# Altium PCB H-00488.PcbDoc (part 7 of 9) (continued)
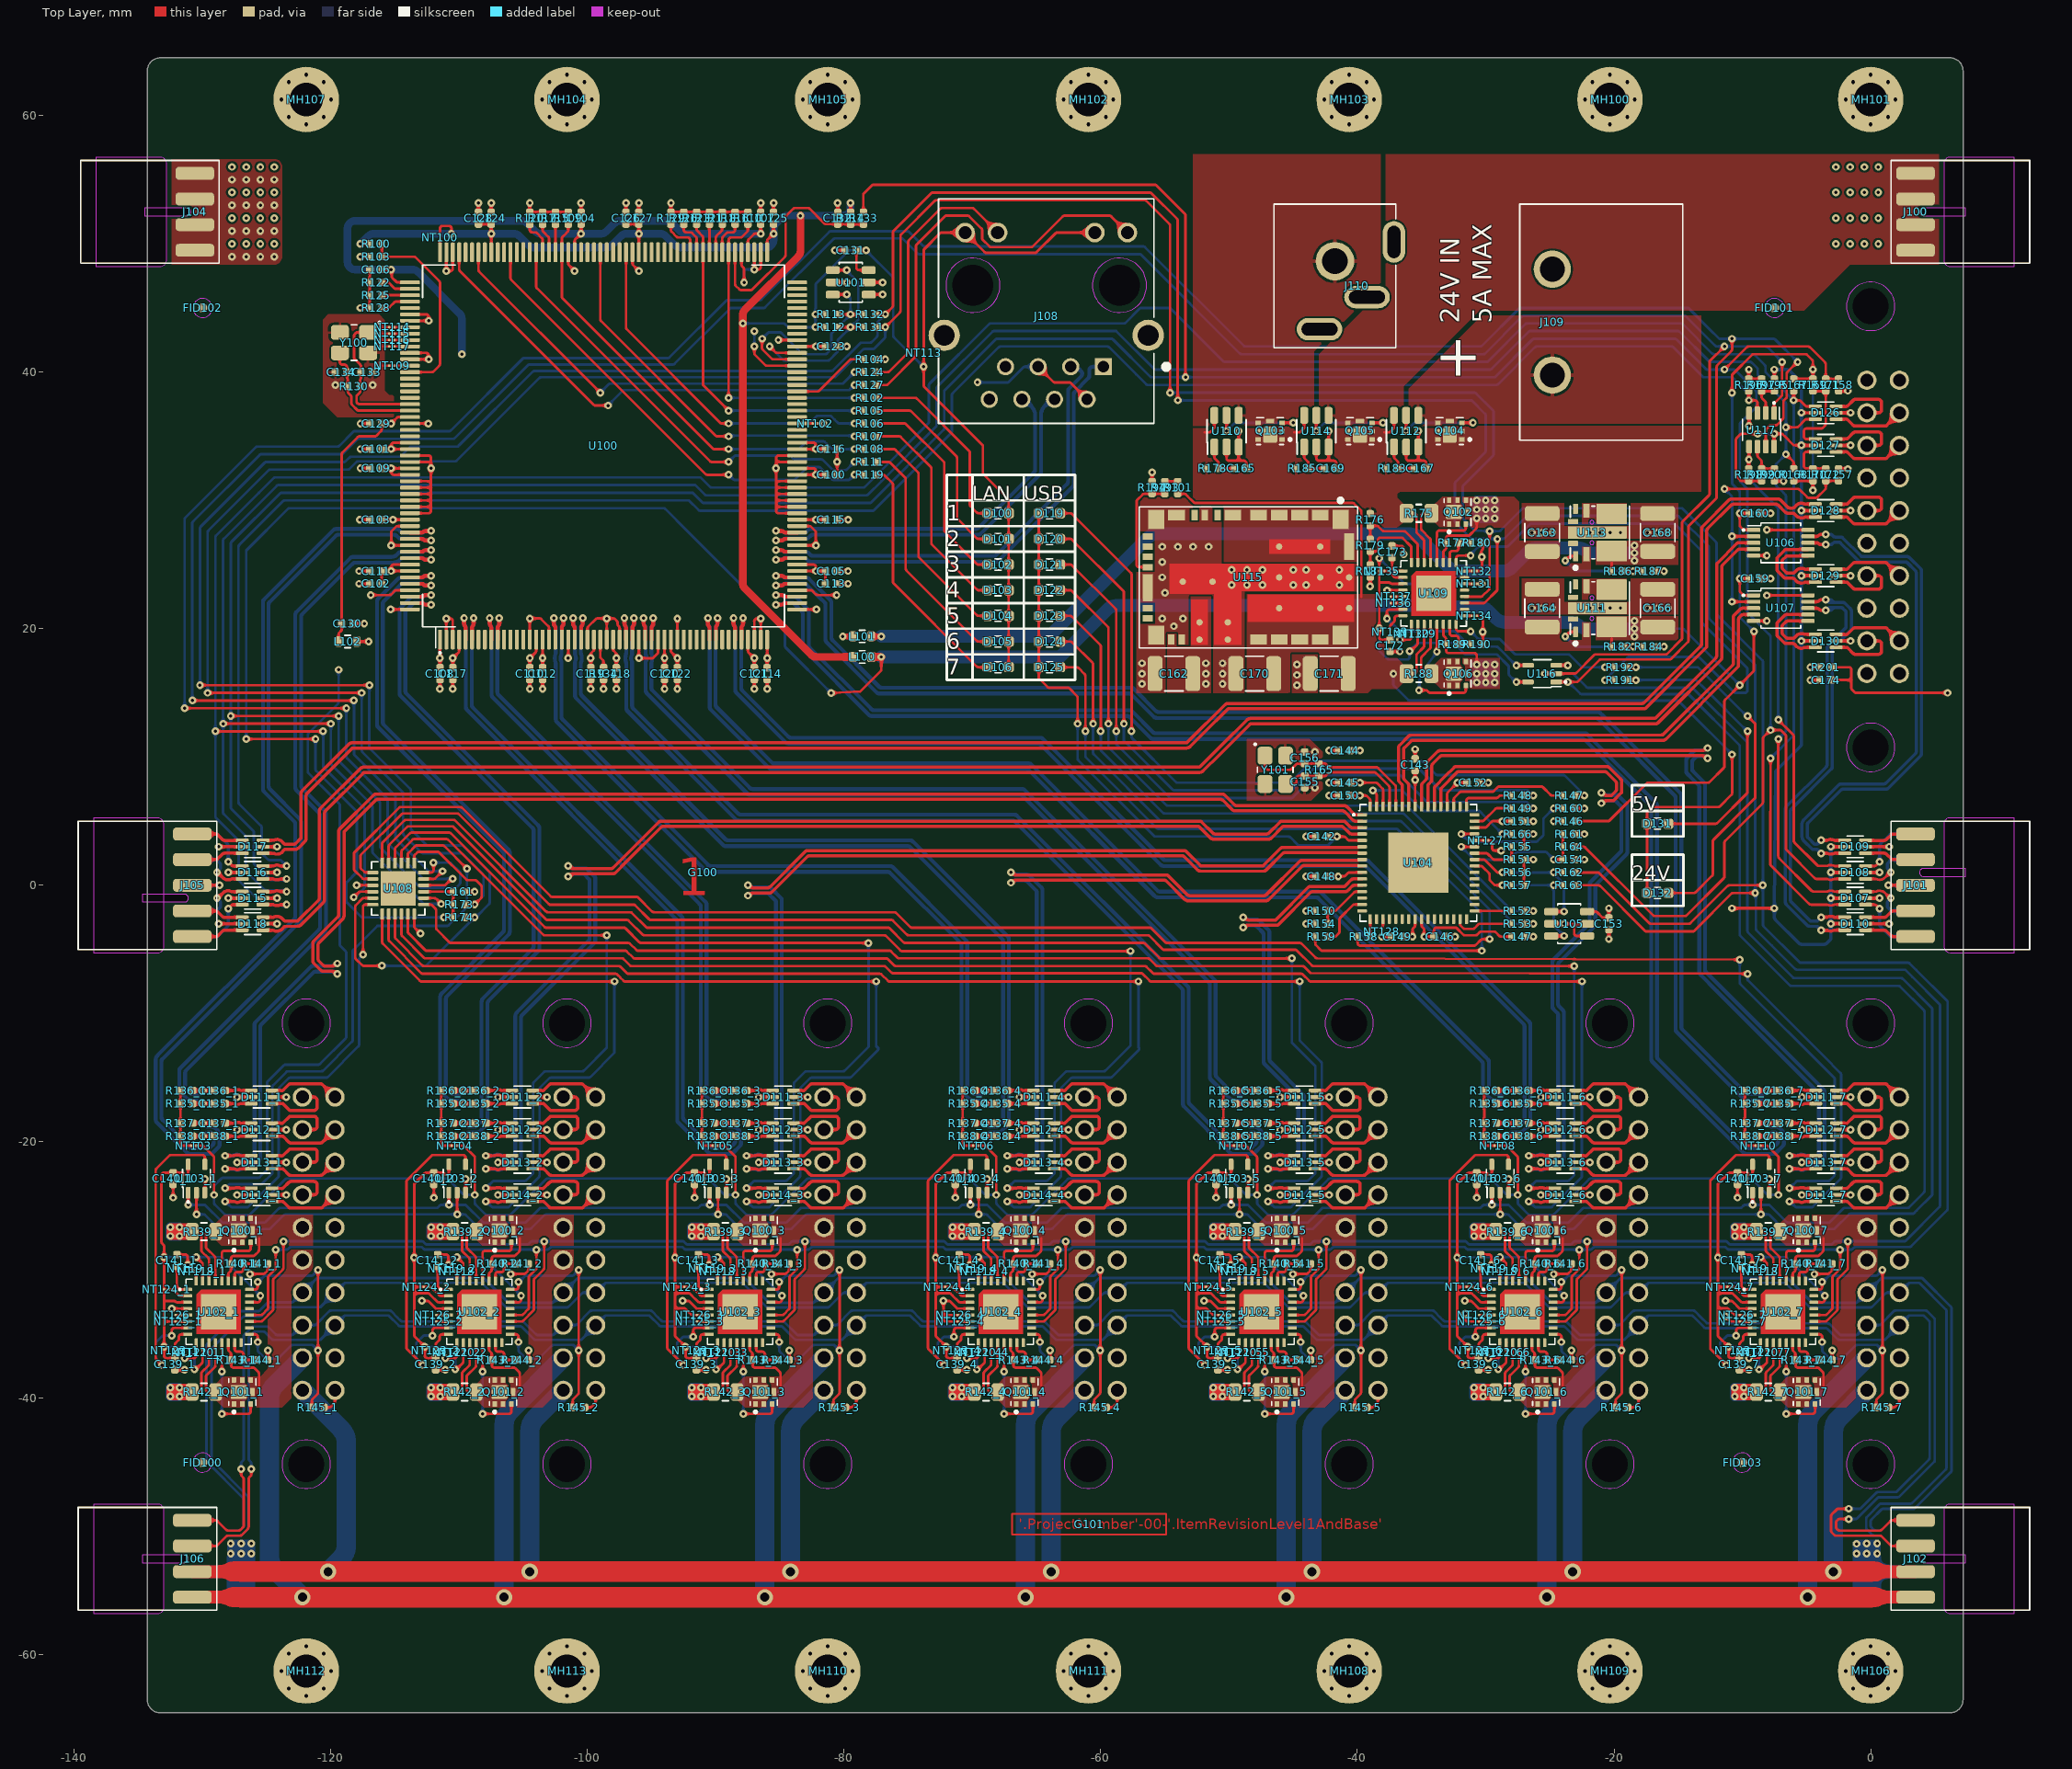
[diagram p0: Top Layer view]
## Nets (pads, with @x,y where several pads share a name; then routed paths per layer and width w, separated by ;. In a path a pad name is that pad's centre, name@x,y a point inside that pad or via, vN(x,y) a via of type N, cw(c..) or ccw(c..) an arc to the next point about the centre after c; other vN are vias at no path point) (continued)
SS_3: C141_3.1 U102_3.1 | length 2.5
  Top Layer w0.2: C141_3.1@-91.36,-29.696 -91.36,-31.127 ccw(c-90.985,-31.129) -90.984,-31.504 U102_3.1@-90.549,-31.504
SS_4: C141_4.1 U102_4.1 | length 2.5
  Top Layer w0.2: C141_4.1@-71.04,-29.696 -71.04,-31.127 ccw(c-70.665,-31.129) -70.664,-31.504 U102_4.1@-70.229,-31.504
SS_5: C141_5.1 U102_5.1 | length 2.5
  Top Layer w0.2: C141_5.1@-50.72,-29.696 -50.72,-31.127 ccw(c-50.345,-31.129) -50.344,-31.504 U102_5.1@-49.909,-31.504
SS_6: C141_6.1 U102_6.1 | length 2.5
  Top Layer w0.2: C141_6.1@-30.4,-29.696 -30.4,-31.127 ccw(c-30.025,-31.129) -30.024,-31.504 U102_6.1@-29.589,-31.504
SS_7: C141_7.1 U102_7.1 | length 2.5
  Top Layer w0.2: C141_7.1@-10.08,-29.696 -10.08,-31.127 ccw(c-9.705,-31.129) -9.704,-31.504 U102_7.1@-9.269,-31.504
TIMER_1: NT123_1.2 U102_1.8 | length 1.8
  Top Layer w0.2: NT123_1.2@-132.154,-36.054 -132.154,-35.822 cw(c-131.954,-35.823) -132.096,-35.682 -131.91,-35.496 ccw(c-132.07,-35.337) -131.908,-35.494 ccw(c-132.07,-35.337) -131.845,-35.337 -131.845,-35.204 cw(c-131.645,-35.204) -131.645,-35.004 U102_1.8@-131.15,-35.004
TIMER_2: NT123_2.2 U102_2.8 | length 1.8
  Top Layer w0.2: NT123_2.2@-111.834,-36.054 -111.834,-35.822 cw(c-111.634,-35.823) -111.776,-35.682 -111.59,-35.496 ccw(c-111.75,-35.337) -111.588,-35.494 ccw(c-111.75,-35.337) -111.525,-35.337 -111.525,-35.204 cw(c-111.325,-35.204) -111.325,-35.004 U102_2.8@-110.83,-35.004
TIMER_3: NT123_3.2 U102_3.8 | length 1.8
  Top Layer w0.2: NT123_3.2@-91.514,-36.054 -91.514,-35.822 cw(c-91.314,-35.823) -91.456,-35.682 -91.27,-35.496 ccw(c-91.43,-35.337) -91.268,-35.494 ccw(c-91.43,-35.337) -91.205,-35.337 -91.205,-35.204 cw(c-91.005,-35.204) -91.005,-35.004 U102_3.8@-90.51,-35.004
TIMER_4: NT123_4.2 U102_4.8 | length 1.8
  Top Layer w0.2: NT123_4.2@-71.194,-36.054 -71.194,-35.822 cw(c-70.994,-35.823) -71.136,-35.682 -70.95,-35.496 ccw(c-71.11,-35.337) -70.948,-35.494 ccw(c-71.11,-35.337) -70.885,-35.337 -70.885,-35.204 cw(c-70.685,-35.204) -70.685,-35.004 U102_4.8@-70.19,-35.004
TIMER_5: NT123_5.2 U102_5.8 | length 1.8
  Top Layer w0.2: NT123_5.2@-50.874,-36.054 -50.874,-35.822 cw(c-50.674,-35.823) -50.816,-35.682 -50.63,-35.496 ccw(c-50.79,-35.337) -50.628,-35.494 ccw(c-50.79,-35.337) -50.565,-35.337 -50.565,-35.204 cw(c-50.365,-35.204) -50.365,-35.004 U102_5.8@-49.87,-35.004
TIMER_6: NT123_6.2 U102_6.8 | length 1.8
  Top Layer w0.2: NT123_6.2@-30.554,-36.054 -30.554,-35.822 cw(c-30.354,-35.823) -30.496,-35.682 -30.31,-35.496 ccw(c-30.47,-35.337) -30.308,-35.494 ccw(c-30.47,-35.337) -30.245,-35.337 -30.245,-35.204 cw(c-30.045,-35.204) -30.045,-35.004 U102_6.8@-29.55,-35.004
TIMER_7: NT123_7.2 U102_7.8 | length 1.8
  Top Layer w0.2: NT123_7.2@-10.234,-36.054 -10.234,-35.822 cw(c-10.034,-35.823) -10.176,-35.682 -9.99,-35.496 ccw(c-10.15,-35.337) -9.988,-35.494 ccw(c-10.15,-35.337) -9.925,-35.337 -9.925,-35.204 cw(c-9.725,-35.204) -9.725,-35.004 U102_7.8@-9.23,-35.004
US1.D_N: D110.6 U107.8 | length 33.9
  Top Layer w0.25: U107.8@-4.88,21.6 -4.211,21.6 cw(c-4.211,21.35) -4.034,21.527 -4.03,21.523 ccw(c-3.854,21.7) -3.854,21.45 v1(-3.5,21.45) ; v1(-3.847,-3.508) -3.435,-3.508 ; D110.6@-2.01,-3.5 -2.769,-3.5 ccw(c-2.767,-3.75) -2.87,-3.523 cw(c-3.11,-3) -3.338,-3.528 ccw(c-3.436,-3.758) -3.431,-3.508 ; -3.435,-3.508 cw(c-3.436,-3.758) -3.431,-3.508 ; -3.435,-3.508 -3.431,-3.508
  Bottom Layer w0.25: v1(-3.847,-3.508) -3.86,-3.508 -4.168,-3.2 -4.763,-3.2 cw(c-4.762,-2.95) -4.938,-3.128 -5.754,-2.311 -6.572,-1.494 cw(c-6.394,-1.318) -6.644,-1.318 -6.644,5.953 cw(c-6.394,5.952) -6.572,6.128 -3.473,9.227 ccw(c-3.65,9.404) -3.4,9.404 -3.4,18.495 cw(c-3.15,18.495) -3.327,18.672 -1.981,20.018 ccw(c-2.158,20.195) -1.908,20.195 -1.908,21.22 ccw(c-2.158,21.22) -1.981,21.397 -2.002,21.418 -2.161,21.576 ccw(c-2.338,21.4) -2.338,21.65 -3.254,21.65 ; v1(-3.5,21.45) -3.161,21.45 ccw(c-3.161,21.7) -2.984,21.523 -2.93,21.577 cw(c-2.754,21.4) -2.754,21.65
US1.D_P: D110.4 U107.9 | length 33.8
  Top Layer w0.25: U107.9@-4.88,22.1 -4.211,22.1 ccw(c-4.211,22.35) -4.034,22.173 -4.03,22.177 cw(c-3.854,22) -3.854,22.25 v1(-3.5,22.25) ; v1(-3.847,-2.492) -3.435,-2.492 ; D110.4@-2.01,-2.5 -2.769,-2.5 cw(c-2.767,-2.25) -2.87,-2.477 ccw(c-3.11,-3) -3.338,-2.472 cw(c-3.436,-2.242) -3.431,-2.492 ; -3.435,-2.492 ccw(c-3.436,-2.242) -3.431,-2.492 ; -3.435,-2.492 -3.431,-2.492
  Bottom Layer w0.25: v1(-3.847,-2.492) -3.86,-2.492 -4.095,-2.727 cw(c-4.272,-2.55) -4.272,-2.8 -4.596,-2.8 cw(c-4.596,-2.55) -4.773,-2.727 -6.172,-1.328 cw(c-5.994,-1.152) -6.244,-1.152 -6.244,5.788 cw(c-5.994,5.787) -6.172,5.962 -3.073,9.061 ccw(c-3.25,9.238) -3,9.238 -3,18.33 cw(c-2.75,18.33) -2.927,18.506 -1.581,19.852 ccw(c-1.758,20.029) -1.508,20.029 -1.508,21.386 ccw(c-1.758,21.386) -1.582,21.563 -1.698,21.68 -1.994,21.975 ccw(c-2.172,21.8) -2.172,22.05 -3.254,22.05 ; v1(-3.5,22.25) -3.161,22.25 cw(c-3.161,22) -2.984,22.177 -2.93,22.123 ccw(c-2.754,22.3) -2.754,22.05
US2.D_N: D109.6 U106.8 | length 39.8
  Top Layer w0.25: U106.8@-4.88,26.7 -4.211,26.7 cw(c-4.211,26.45) -4.034,26.627 -4.03,26.623 ccw(c-3.854,26.8) -3.854,26.55 v1(-3.5,26.55) ; v1(-3.847,2.492) -3.431,2.492 ; -3.435,2.492 cw(c-3.436,2.242) -3.338,2.472 ccw(c-3.11,3) -2.87,2.477 cw(c-2.767,2.25) -2.769,2.5 D109.6@-2.01,2.5
  Bottom Layer w0.25: v1(-3.847,2.492) -3.86,2.492 -4.168,2.8 -4.541,2.8 -5.199,3.458 -5.229,3.487 cw(c-4.946,3.77) -5.346,3.77 -5.346,4.8 cw(c-4.946,4.8) -5.229,5.083 -2.485,7.827 cw(c-2.308,7.65) -2.308,7.9 1.031,7.9 ccw(c1.031,8.15) 1.208,7.973 2.371,9.136 3.482,10.248 ccw(c3.305,10.424) 3.555,10.424 3.555,24.344 ccw(c3.305,24.344) 3.482,24.521 2.859,25.143 ccw(c2.682,24.967) 2.682,25.217 -0.777,25.217 cw(c-0.777,25.467) -0.953,25.29 -1.491,25.828 -2.339,26.676 ccw(c-2.517,26.5) -2.517,26.75 -2.754,26.75 ccw(c-2.754,26.5) -2.93,26.677 -2.984,26.623 cw(c-3.161,26.8) -3.161,26.55 v1(-3.5,26.55)
US2.D_P: D109.4 U106.9 | length 39.8
  Top Layer w0.25: U106.9@-4.88,27.2 -4.211,27.2 ccw(c-4.211,27.45) -4.034,27.273 -4.03,27.277 cw(c-3.854,27.1) -3.854,27.35 v1(-3.5,27.35) ; v1(-3.847,3.508) -3.431,3.508 ; -3.435,3.508 ccw(c-3.436,3.758) -3.338,3.528 cw(c-3.11,3) -2.87,3.523 ccw(c-2.767,3.75) -2.769,3.5 D109.4@-2.01,3.5
  Bottom Layer w0.25: v1(-3.847,3.508) -3.86,3.508 -4.168,3.2 -4.376,3.2 -4.873,3.697 cw(c-4.696,3.874) -4.946,3.874 -4.946,4.696 cw(c-4.696,4.696) -4.873,4.873 -2.319,7.427 cw(c-2.142,7.25) -2.142,7.5 1.196,7.5 ccw(c1.196,7.75) 1.373,7.573 3.882,10.082 ccw(c3.705,10.258) 3.955,10.257 ; v1(-3.5,27.35) -3.161,27.35 cw(c-3.161,27.1) -2.984,27.277 -2.93,27.223 ccw(c-2.754,27.4) -2.754,27.15 -2.351,27.15 cw(c-2.351,26.9) -2.173,27.076 -2.133,27.035 cw(c-2.308,26.857) -2.131,27.034 -0.787,25.69 ccw(c-0.611,25.867) -0.612,25.617 2.847,25.617 cw(c2.847,25.367) 3.025,25.543 3.882,24.687 cw(c3.705,24.51) 3.955,24.51 3.955,10.258
US_HOST1_D_N: D110.1 J101.5 | length 4.1
  Top Layer w0.25: D110.1@-0.395,-3.5 1.051,-3.5 cw(c1.051,-3.75) 1.228,-3.573 1.581,-3.926 ccw(c1.758,-3.75) 1.758,-4 1.9,-4 J101.5@3.5,-4
US_HOST1_D_P: D110.3 J101.4 | length 4.1
  Top Layer w0.25: D110.3@-0.395,-2.5 1.051,-2.5 ccw(c1.051,-2.25) 1.228,-2.427 1.581,-2.074 cw(c1.758,-2.25) 1.758,-2 1.9,-2 J101.4@3.5,-2
US_HOST2_D_N: D109.1 J101.2 | length 4.1
  Top Layer w0.25: D109.1@-0.395,2.5 1.051,2.5 cw(c1.051,2.25) 1.228,2.427 1.581,2.074 ccw(c1.758,2.25) 1.758,2 1.9,2 J101.2@3.5,2
US_HOST2_D_P: D109.3 J101.1 | length 4.1
  Top Layer w0.25: D109.3@-0.395,3.5 1.051,3.5 ccw(c1.051,3.75) 1.228,3.573 1.581,3.926 cw(c1.758,3.75) 1.758,4 1.9,4 J101.1@3.5,4
US_ID: D108.3 J101.6 | length 5.7
  Top Layer w0.2: D108.3@-0.395,1.5 0.263,1.5 ccw(c0.263,1.75) 0.439,1.573 v1(0.7,1.834)
  Bottom Layer w0.25: v1(0.7,1.834) 0.7,3.043 cw(c0.95,3.043) 0.774,3.22 1.48,3.927 cw(c1.657,3.75) 1.657,4 J101.6@3.5,4
US_REF: R195.1 R197.2 U117.2 | length 2.8
  Top Layer w0.2: R197.2@-8.5,38.5 -8.5,38.083 ccw(c-8.3,38.083) -8.442,37.942 -8.28,37.78 -8.233,37.733 cw(c-8.375,37.592) -8.175,37.592 U117.2@-8.175,36.8 ; R197.2@-8.5,38.52 R195.1@-7.5,38.52
US_RESET: D108.1 J101.7 | length 5.2
  Top Layer w0.2: D108.1@-0.395,0.5 0.355,0.5 cw(c0.356,0.25) 0.46,0.477 ccw(c0.7,1) 0.956,0.485 1.003,0.509 ccw(c0.892,0.733) 1.068,0.555 1.069,0.556 v1@1.513,1
  Top Layer w0.25: v1@1.513,1 v1(1.573,1)
  Bottom Layer w0.25: v1(1.573,1) ccw(c1.349,0.89) 1.526,1.066 1.367,1.225 cw(c1.545,1.401) 1.295,1.401 1.295,1.591 cw(c1.545,1.591) 1.367,1.767 1.528,1.928 cw(c1.704,1.75) 1.704,2 J101.7@3.4,2
US_SCL: D107.1 J101.10 | length 5.7
  Top Layer w0.2: D107.1@-0.395,-1.5 0.263,-1.5 cw(c0.263,-1.75) 0.439,-1.573 v1(0.7,-1.834)
  Bottom Layer w0.25: v1(0.7,-1.834) 0.7,-3.043 ccw(c0.95,-3.043) 0.774,-3.22 1.48,-3.927 ccw(c1.657,-3.75) 1.657,-4 J101.10@3.5,-4
US_SDA: D107.3 J101.9 | length 5.1
  Top Layer w0.2: D107.3@-0.395,-0.5 0.355,-0.5 ccw(c0.356,-0.25) 0.46,-0.477 cw(c0.7,-1) 0.956,-0.485 1.003,-0.509 cw(c0.892,-0.733) 1.068,-0.555 1.069,-0.556 1.513,-1 v1(1.573,-1)
  Bottom Layer w0.25: v1@1.526,-1.066 1.367,-1.225 ccw(c1.545,-1.401) 1.295,-1.401 1.295,-1.591 ccw(c1.545,-1.591) 1.367,-1.767 1.528,-1.928 ccw(c1.704,-1.75) 1.704,-2 J101.9@3.4,-2
USB1.D_N: D113_1.6 U104.1 | length 117.9
  Top Layer w0.25: v1(-128.242,-22.098) -127.625,-22.098 cw(c-127.626,-22.348) -127.528,-22.118 ccw(c-127.3,-21.59) -127.06,-22.113 cw(c-126.957,-22.34) -126.959,-22.09 D113_1.6@-126.2,-22.09 ; v1@-119.727,-6.773 ccw(c-119.904,-6.95) -119.9,-6.7 ccw(c-119.904,-6.95) -119.904,-6.7 -120.596,-6.7 cw(c-120.596,-6.45) -120.773,-6.627 -120.889,-6.511 -121.327,-6.073 cw(c-121.15,-5.896) -121.4,-5.896 -121.4,-4.504 cw(c-121.15,-4.504) -121.326,-4.326 -119.454,-2.454 ccw(c-119.63,-2.277) -119.38,-2.277 -119.38,4.216 cw(c-119.13,4.216) -119.307,4.393 -116.673,7.027 cw(c-116.496,6.85) -116.496,7.1 -50.505,7.1 cw(c-50.504,6.85) -50.327,7.027 -49.573,6.273 ccw(c-49.396,6.45) -49.396,6.2 -41.004,6.2 cw(c-41.004,5.95) -40.826,6.126 -40.273,5.573 ccw(c-40.096,5.75) -40.098,5.5 U104.1@-39.635,5.5
  Bottom Layer w0.3: v1@-128.244,-22.1 -127.694,-22.1 cw(c-127.692,-22.4) -127.562,-22.13 ccw(c-127.3,-21.59) -126.83,-21.963 cw(c-126.595,-22.15) -126.595,-21.85 -126.225,-21.85 ccw(c-126.225,-21.125) -125.5,-21.125 -125.5,-11.056 cw(c-125.2,-11.056) -125.412,-10.844 -121.381,-6.813 cw(c-121.169,-7.025) -121.169,-6.725 -119.756,-6.725 -119.581,-6.9 v1(-119.5,-6.9)
USB1.D_P: D113_1.4 U104.2 | length 116.7
  Top Layer w0.25: v1(-128.242,-21.082) -127.625,-21.082 ccw(c-127.626,-20.832) -127.528,-21.062 cw(c-127.3,-21.59) -127.06,-21.067 ccw(c-126.957,-20.84) -126.959,-21.09 D113_1.4@-126.2,-21.09 ; v1@-119.727,-6.227 cw(c-119.904,-6.05) -119.9,-6.3 cw(c-119.904,-6.05) -119.902,-6.3 -120.431,-6.3 cw(c-120.431,-6.05) -120.608,-6.227 -120.927,-5.908 cw(c-120.75,-5.731) -121,-5.731 -121,-4.669 cw(c-120.75,-4.669) -120.926,-4.492 -119.098,-2.664 ccw(c-119.38,-2.38) -118.98,-2.38 -118.98,4.154 -116.508,6.627 cw(c-116.331,6.45) -116.331,6.7 -50.669,6.7 cw(c-50.669,6.45) -50.492,6.627 -49.856,5.99 cw(c-50.032,5.813) -49.855,5.989 ; -49.854,5.989 -49.783,5.917 ccw(c-49.5,6.2) -49.5,5.8 -41.169,5.8 cw(c-41.169,5.55) -40.994,5.728 -40.338,5.072 ccw(c-40.162,5.25) -40.163,5 U104.2@-39.635,5
  Bottom Layer w0.3: v1(-128.242,-21.082) -127.696,-21.082 ccw(c-127.696,-20.782) -127.564,-21.051 cw(c-127.3,-21.59) -126.797,-21.263 ccw(c-126.545,-21.1) -126.546,-21.4 -126.25,-21.4 ccw(c-126.25,-21.1) -125.95,-21.1 -125.95,-10.87 cw(c-125.65,-10.87) -125.862,-10.658 -121.567,-6.363 cw(c-121.355,-6.575) -121.355,-6.275 -119.756,-6.275 v1@-119.581,-6.1 ; v1@-119.562,-6.1 v1@-119.581,-6.1 ; v1(-119.5,-6.1) v1@-119.581,-6.1
USB2.D_N: D113_2.6 U104.3 | length 96.1
  Top Layer w0.25: v1(-107.922,-22.098) -107.305,-22.098 cw(c-107.306,-22.348) -107.208,-22.118 ccw(c-106.98,-21.59) -106.74,-22.113 cw(c-106.637,-22.34) -106.639,-22.09 D113_2.6@-105.88,-22.09 ; v1@-101.273,1.373 ccw(c-101.096,1.55) -101.096,1.3 -98.169,1.3 ccw(c-98.169,1.55) -97.992,1.374 -94.439,4.927 cw(c-94.262,4.75) -94.262,5 -52.304,5 cw(c-52.304,4.75) -52.127,4.927 ; -52.127,4.927 -51.273,4.073 ccw(c-51.096,4.25) -51.096,4 -47.069,4 ccw(c-47.069,4.25) -46.893,4.073 -46.038,4.927 cw(c-45.862,4.75) -45.862,5 -41.104,5 cw(c-41.104,4.75) -40.928,4.928 -40.572,4.572 ccw(c-40.396,4.75) -40.398,4.5 U104.3@-39.635,4.5
  Bottom Layer w0.3: v1@-107.924,-22.1 -107.374,-22.1 cw(c-107.372,-22.4) -107.242,-22.13 ccw(c-106.98,-21.59) -106.51,-21.963 cw(c-106.275,-22.15) -106.275,-21.85 -105.905,-21.85 ccw(c-105.905,-21.125) -105.18,-21.125 -105.18,-10.338 cw(c-104.88,-10.338) -105.094,-10.127 -99.39,-4.424 -99.39,0.62 -100.095,1.325 -100.9,1.325 -101.244,1.325 -101.419,1.5 v1(-101.5,1.5)
USB2.D_P: D113_2.4 U104.4 | length 94.7
  Top Layer w0.25: v1(-107.922,-21.082) -107.305,-21.082 ccw(c-107.306,-20.832) -107.208,-21.062 cw(c-106.98,-21.59) -106.74,-21.067 ccw(c-106.637,-20.84) -106.639,-21.09 D113_2.4@-105.88,-21.09 ; v1@-101.273,0.827 cw(c-101.096,0.65) -101.096,0.9 -98.004,0.9 ccw(c-98.004,1.15) -97.827,0.973 -96.985,1.815 -94.273,4.527 cw(c-94.096,4.35) -94.096,4.6 -52.469,4.6 cw(c-52.469,4.35) -52.292,4.526 -51.557,3.792 cw(c-51.733,3.614) -51.556,3.791 -51.554,3.788 -51.483,3.717 ccw(c-51.2,4) -51.2,3.6 -46.904,3.6 ccw(c-46.904,3.85) -46.727,3.673 -45.873,4.527 cw(c-45.696,4.35) -45.696,4.6 -41.269,4.6 cw(c-41.269,4.35) -41.092,4.526 -40.639,4.073 ccw(c-40.462,4.25) -40.462,4 U104.4@-39.635,4
  Bottom Layer w0.3: v1(-107.922,-21.082) -107.376,-21.082 ccw(c-107.376,-20.782) -107.244,-21.051 cw(c-106.98,-21.59) -106.477,-21.263 ccw(c-106.225,-21.1) -106.226,-21.4 -105.93,-21.4 ccw(c-105.93,-21.1) -105.63,-21.1 -105.63,-10.214 cw(c-105.18,-10.214) -105.498,-9.895 -99.84,-4.237 -99.84,0.433 -100.282,0.875 -100.714,0.875 -101.244,0.875 -101.419,0.7 v1(-101.5,0.7)
USB3.D_N: D113_3.6 U104.6 | length 78.4
  Top Layer w0.25: v1(-87.602,-22.098) -86.985,-22.098 cw(c-86.986,-22.348) -86.888,-22.118 ccw(c-86.66,-21.59) -86.42,-22.113 cw(c-86.317,-22.34) -86.319,-22.09 D113_3.6@-85.56,-22.09 ; v1@-87.273,-0.127 ccw(c-87.096,0.05) -87.096,-0.2 -85.969,-0.2 ccw(c-85.969,0.05) -85.792,-0.127 -83.039,2.627 cw(c-82.862,2.45) -82.862,2.7 -53.504,2.7 cw(c-53.504,2.45) -53.327,2.627 ; -53.327,2.627 -52.273,1.573 ccw(c-52.096,1.75) -52.096,1.5 -47.469,1.5 ccw(c-47.469,1.75) -47.293,1.573 -45.988,2.877 cw(c-45.812,2.7) -45.812,2.95 -39.935,2.95 -39.885,3 U104.6@-39.635,3
  Bottom Layer w0.3: v1@-87.604,-22.1 -87.054,-22.1 cw(c-87.052,-22.4) -86.922,-22.13 ccw(c-86.66,-21.59) -86.19,-21.963 cw(c-85.955,-22.15) -85.955,-21.85 -85.585,-21.85 ccw(c-85.585,-21.125) -84.86,-21.125 -84.86,-1.056 -85.741,-0.175 -87.244,-0.175 -87.419,0 v1(-87.5,0)
USB3.D_P: D113_3.4 U104.7 | length 77
  Top Layer w0.25: v1(-87.602,-21.082) -86.985,-21.082 ccw(c-86.986,-20.832) -86.888,-21.062 cw(c-86.66,-21.59) -86.42,-21.067 ccw(c-86.317,-20.84) -86.319,-21.09 D113_3.4@-85.56,-21.09 ; v1@-87.273,-0.673 cw(c-87.096,-0.85) -87.096,-0.6 -85.804,-0.6 ccw(c-85.804,-0.35) -85.627,-0.527 -82.873,2.227 cw(c-82.696,2.05) -82.696,2.3 -53.669,2.3 cw(c-53.669,2.05) -53.493,2.227 ; -53.492,2.227 -52.483,1.217 ccw(c-52.2,1.5) -52.199,1.1 -47.304,1.1 ccw(c-47.304,1.35) -47.127,1.173 -45.823,2.477 cw(c-45.646,2.3) -45.646,2.55 -39.935,2.55 -39.885,2.5 U104.7@-39.635,2.5
  Bottom Layer w0.3: v1(-87.602,-21.082) -87.056,-21.082 ccw(c-87.056,-20.782) -86.924,-21.051 cw(c-86.66,-21.59) -86.157,-21.263 ccw(c-85.905,-21.1) -85.906,-21.4 -85.61,-21.4 ccw(c-85.61,-21.1) -85.31,-21.1 -85.31,-1.242 -85.927,-0.625 -87.244,-0.625 -87.419,-0.8 v1(-87.5,-0.8)
USB4.D_N: D113_4.6 U104.8 | length 58.1
  Top Layer w0.25: v1(-67.282,-22.098) -66.665,-22.098 cw(c-66.666,-22.348) -66.568,-22.118 ccw(c-66.34,-21.59) -66.1,-22.113 cw(c-65.997,-22.34) -65.999,-22.09 D113_4.6@-65.24,-22.09 ; v1@-66.773,0.873 ccw(c-66.596,1.05) -66.596,0.8 -54.904,0.8 cw(c-54.904,0.55) -54.726,0.726 -53.273,-0.727 ccw(c-53.096,-0.55) -53.096,-0.8 -47.269,-0.8 ccw(c-47.269,-0.55) -47.093,-0.727 -44.488,1.877 cw(c-44.312,1.7) -44.312,1.95 -39.935,1.95 -39.885,2 U104.8@-39.635,2
  Bottom Layer w0.3: v1@-67.284,-22.1 -66.734,-22.1 cw(c-66.732,-22.4) -66.602,-22.13 ccw(c-66.34,-21.59) -65.87,-21.963 cw(c-65.635,-22.15) -65.635,-21.85 -65.265,-21.85 ccw(c-65.265,-21.125) -64.54,-21.125 -64.54,-0.384 ccw(c-64.84,-0.384) -64.629,-0.171 -64.759,-0.041 ccw(c-65.29,-0.571) -64.761,-0.039 -65.405,0.605 ccw(c-65.936,0.075) -65.407,0.607 -65.537,0.737 ccw(c-65.749,0.525) -65.749,0.825 -66.744,0.825 -66.919,1 v1(-67,1)
USB4.D_P: D113_4.4 U104.9 | length 56.7
  Top Layer w0.25: v1(-67.282,-21.082) -66.665,-21.082 ccw(c-66.666,-20.832) -66.568,-21.062 cw(c-66.34,-21.59) -66.1,-21.067 ccw(c-65.997,-20.84) -65.999,-21.09 D113_4.4@-65.24,-21.09 ; v1@-66.773,0.327 cw(c-66.596,0.15) -66.596,0.4 -55.069,0.4 cw(c-55.069,0.15) -54.892,0.326 -53.483,-1.083 ccw(c-53.2,-0.8) -53.2,-1.2 -47.104,-1.2 ccw(c-47.104,-0.95) -46.927,-1.127 -44.323,1.477 cw(c-44.146,1.3) -44.146,1.55 -39.935,1.55 -39.885,1.5 U104.9@-39.635,1.5
  Bottom Layer w0.3: v1(-67.282,-21.082) -66.736,-21.082 ccw(c-66.736,-20.782) -66.604,-21.051 cw(c-66.34,-21.59) -65.837,-21.263 ccw(c-65.585,-21.1) -65.586,-21.4 -65.29,-21.4 ccw(c-65.29,-21.1) -64.99,-21.1 -64.99,-0.571 ccw(c-65.29,-0.571) -65.079,-0.358 -65.723,0.286 ccw(c-65.936,0.075) -65.936,0.375 -66.744,0.375 -66.919,0.2 v1(-67,0.2)
USB5.D_N: D113_5.6 U104.11 | length 36.9
  Top Layer w0.25: v1@-48.673,-2.627 ccw(c-48.496,-2.45) -48.496,-2.7 -46.366,-2.7 -43.838,-0.173 cw(c-43.662,-0.35) -43.662,-0.1 -41.104,-0.1 ccw(c-41.104,0.15) -40.927,-0.027 -40.473,0.427 cw(c-40.296,0.25) -40.296,0.5 U104.11@-39.635,0.5 ; v1(-46.962,-22.098) -46.345,-22.098 cw(c-46.346,-22.348) -46.248,-22.118 ccw(c-46.02,-21.59) -45.78,-22.113 cw(c-45.677,-22.34) -45.679,-22.09 D113_5.6@-44.92,-22.09
  Bottom Layer w0.3: v1(-48.9,-2.5) -48.819,-2.5 -48.644,-2.675 -47.857,-2.675 cw(c-47.857,-2.975) -47.644,-2.763 -47.515,-2.893 cw(c-48.044,-3.425) -47.512,-2.896 -47.075,-3.333 -46.944,-3.464 cw(c-47.156,-3.676) -46.856,-3.675 ; v1@-46.962,-22.1 -46.414,-22.1 cw(c-46.412,-22.4) -46.282,-22.13 ccw(c-46.02,-21.59) -45.55,-21.963 cw(c-45.315,-22.15) -45.315,-21.85 -44.945,-21.85 ccw(c-44.945,-21.055) -44.15,-21.055 -44.15,-16.375 -46.769,-13.756 ; -46.856,-3.676 -46.856,-13.544 ccw(c-46.556,-13.544) -46.769,-13.756
USB5.D_P: D113_5.4 U104.12 | length 35.2
  Top Layer w0.25: v1@-48.673,-3.173 cw(c-48.496,-3.35) -48.496,-3.1 -46.2,-3.1 -43.673,-0.573 cw(c-43.496,-0.75) -43.496,-0.5 -41,-0.5 ccw(c-41,-0.1) -40.717,-0.382 -40.407,-0.073 cw(c-40.231,-0.25) -40.231,0 U104.12@-39.635,0 ; v1(-46.962,-21.082) -46.345,-21.082 ccw(c-46.346,-20.832) -46.248,-21.062 cw(c-46.02,-21.59) -45.78,-21.067 ccw(c-45.677,-20.84) -45.679,-21.09 D113_5.4@-44.92,-21.09
  Bottom Layer w0.3: v1(-48.9,-3.3) -48.819,-3.3 -48.644,-3.125 -48.044,-3.125 cw(c-48.044,-3.425) -47.83,-3.214 -47.744,-3.3 -47.396,-3.648 cw(c-47.606,-3.862) -47.306,-3.861 ; -47.306,-3.862 -47.306,-13.73 ccw(c-47.006,-13.73) -47.219,-13.942 -44.6,-16.561 -44.6,-20.868 -45.132,-21.4 -45.266,-21.4 cw(c-45.265,-21.1) -45.517,-21.263 ccw(c-46.02,-21.59) -46.284,-21.051 cw(c-46.416,-20.782) -46.416,-21.082 v1(-46.962,-21.082)
USB6.D_N: D113_6.6 U104.53 | length 55.2
  Top Layer w0.25: U104.53@-33.5,6.135 -33.5,7.438 cw(c-33.25,7.436) -33.428,7.612 -32.256,8.785 cw(c-32.079,8.607) -32.079,8.857 -20.726,8.857 cw(c-20.726,8.607) -20.551,8.785 -19.873,8.107 cw(c-20.05,7.931) -19.8,7.931 -19.8,7.505 cw(c-20.05,7.505) -19.873,7.328 -20.201,7 -20.598,7 cw(c-20.596,7.25) v1@-20.773,7.073 ; v1(-26.642,-22.098) -26.025,-22.098 cw(c-26.026,-22.348) -25.928,-22.118 ccw(c-25.7,-21.59) -25.46,-22.113 cw(c-25.357,-22.34) -25.359,-22.09 D113_6.6@-24.6,-22.09
  Bottom Layer w0.3: v1@-26.644,-22.1 -26.094,-22.1 cw(c-26.092,-22.4) -25.962,-22.13 ccw(c-25.7,-21.59) -25.23,-21.963 cw(c-24.995,-22.15) -24.995,-21.85 -24.625,-21.85 ccw(c-24.625,-21.125) -23.9,-21.125 -23.9,-9.952 ccw(c-24.2,-9.952) -23.989,-9.738 -24.275,-9.452 cw(c-24.063,-9.24) -24.363,-9.24 -24.363,-6.197 cw(c-24.063,-6.197) -24.275,-5.985 -21.537,-3.247 ccw(c-21.75,-3.036) -21.45,-3.036 -21.45,-0.118 cw(c-21.15,-0.12) -21.363,0.091 -19.055,2.4 ccw(c-19.268,2.611) -18.968,2.611 -18.968,6.176 ccw(c-19.268,6.176) -19.056,6.388 -19.693,7.025 -20.744,7.025 -20.919,7.2 v1(-21,7.2)
USB6.D_P: D113_6.4 U104.54 | length 55.9
  Top Layer w0.25: U104.54@-34,6.135 -34,7.549 cw(c-33.75,7.548) -33.926,7.725 -33.163,8.489 -32.467,9.184 ; -32.467,9.185 cw(c-32.291,9.007) -32.291,9.257 -20.561,9.257 cw(c-20.561,9.007) -20.383,9.183 -19.943,8.743 -19.588,8.388 -19.501,8.301 -19.488,8.288 -19.474,8.274 cw(c-19.65,8.096) -19.4,8.096 -19.4,7.339 cw(c-19.65,7.339) -19.473,7.162 -20.036,6.6 -20.596,6.6 ccw(c-20.596,6.35) -20.6,6.6 ccw(c-20.596,6.35) v1@-20.773,6.527 ; v1(-26.642,-21.082) -26.025,-21.082 ccw(c-26.026,-20.832) -25.928,-21.062 cw(c-25.7,-21.59) -25.46,-21.067 ccw(c-25.357,-20.84) -25.359,-21.09 D113_6.4@-24.6,-21.09
  Bottom Layer w0.3: v1(-26.642,-21.082) -26.096,-21.082 ccw(c-26.096,-20.782) -25.964,-21.051 cw(c-25.7,-21.59) -25.197,-21.263 ccw(c-24.945,-21.1) -24.946,-21.4 -24.65,-21.4 ccw(c-24.65,-21.1) -24.35,-21.1 -24.35,-10.138 ccw(c-24.65,-10.138) -24.437,-9.926 -24.725,-9.639 cw(c-24.513,-9.427) -24.813,-9.427 -24.813,-6.011 cw(c-24.513,-6.011) -24.725,-5.799 -21.987,-3.061 ccw(c-22.2,-2.85) -21.9,-2.85 -21.9,0.068 cw(c-21.6,0.067) -21.813,0.278 -19.505,2.586 ccw(c-19.718,2.797) -19.418,2.796 ; v1(-21,6.4) -20.919,6.4 -20.744,6.575 -19.88,6.575 -19.506,6.201 cw(c-19.718,5.989) -19.418,5.989 -19.418,2.797
USB7.D_N: D113_7.6 U104.55 | length 66.7
  Top Layer w0.25: U104.55@-34.5,6.135 -34.5,7.727 cw(c-34.25,7.727) -34.427,7.904 -34.272,8.058 ccw(c-34.45,8.234) -34.2,8.234 -34.2,9.304 cw(c-33.95,9.303) -34.128,9.478 -33.579,10.027 cw(c-33.403,9.85) -33.403,10.1 -13.664,10.1 -13.104,10.1 cw(c-13.104,9.85) -13.1,10.1 cw(c-13.104,9.85) v1@-12.927,10.027 ; v1(-6.322,-22.098) -5.705,-22.098 cw(c-5.706,-22.348) -5.608,-22.118 ccw(c-5.38,-21.59) -5.14,-22.113 cw(c-5.037,-22.34) -5.039,-22.09 D113_7.6@-4.28,-22.09
  Bottom Layer w0.3: v1(-12.7,9.9) -12.781,9.9 -12.956,10.075 -13.416,10.075 ccw(c-13.416,9.775) -13.628,9.988 -13.832,9.784 ccw(c-13.619,9.573) -13.919,9.574 -13.919,9.082 ccw(c-13.619,9.082) -13.831,8.871 -12.988,8.027 cw(c-13.2,7.815) -12.9,7.815 -12.9,-6.577 ccw(c-12.6,-6.576) -12.813,-6.787 -3.667,-15.933 cw(c-3.88,-16.144) -3.58,-16.144 -3.58,-21.125 cw(c-4.305,-21.125) -4.305,-21.85 -4.675,-21.85 ccw(c-4.675,-22.15) -4.91,-21.963 cw(c-5.38,-21.59) -5.642,-22.13 ccw(c-5.772,-22.4) -5.774,-22.1 v1@-6.324,-22.1
USB7.D_P: D113_7.4 U104.56 | length 67.5
  Top Layer w0.25: U104.56@-35,6.135 -35,7.793 cw(c-34.75,7.793) -34.927,7.97 -34.673,8.224 ccw(c-34.85,8.4) -34.6,8.399 ; -34.6,8.4 -34.6,9.47 cw(c-34.35,9.468) -34.528,9.644 -33.745,10.427 cw(c-33.568,10.25) -33.568,10.5 -13.499,10.5 -13.102,10.5 ccw(c-13.104,10.75) v1@-12.927,10.573 ; v1(-6.322,-21.082) -5.705,-21.082 ccw(c-5.706,-20.832) -5.608,-21.062 cw(c-5.38,-21.59) -5.14,-21.067 ccw(c-5.037,-20.84) -5.039,-21.09 D113_7.4@-4.28,-21.09
  Bottom Layer w0.3: -13.263,-6.974 cw(c-13.05,-6.762) -13.35,-6.762 -13.35,7.629 ccw(c-13.65,7.629) -13.438,7.841 -14.057,8.46 -14.211,8.614 -14.279,8.683 cw(c-14.069,8.896) -14.369,8.896 -14.369,9.76 cw(c-14.069,9.759) -14.282,9.97 -13.814,10.438 cw(c-13.603,10.225) -13.603,10.525 -12.956,10.525 -12.781,10.7 v1(-12.7,10.7) ; -13.262,-6.974 -12,-8.236 cw(c-12.211,-8.45) -11.999,-8.238 ; -11.998,-8.238 -4.118,-16.119 cw(c-4.33,-16.331) -4.03,-16.329 ; v1(-6.322,-21.082) -5.776,-21.082 ccw(c-5.776,-20.782) -5.644,-21.051 cw(c-5.38,-21.59) -4.877,-21.263 ccw(c-4.625,-21.1) -4.626,-21.4 -4.33,-21.4 ccw(c-4.33,-21.1) -4.03,-21.1 -4.03,-16.331
USB_CFG1: R151.2 R155.1 U104.42 | length 4.1
  Top Layer w0.2: U104.42@-30.865,2.5 -29.983,2.5 cw(c-29.983,2.3) -29.841,2.441 -29.458,2.058 ccw(c-29.317,2.2) -29.319,2 R151.2@-28,2 ; R151.2@-27.98,2 R155.1@-27.98,3
USB_CFG2: R150.2 R154.1 U104.13 | length 4.3
  Top Layer w0.2: R154.1@-42.32,-3 R150.2@-42.32,-2 -41.782,-2 ccw(c-41.782,-1.8) -41.65,-1.95 -40.258,-0.558 cw(c-40.117,-0.7) -40.118,-0.5 ; -40.117,-0.5 U104.13@-39.635,-0.5
USB_D_1_N: D113_1.1 J103_1.A3 | length 5.5
  Top Layer w0.25: D113_1.1@-124.59,-22.09 -123.835,-22.09 cw(c-123.835,-22.29) -123.693,-22.149 -123.292,-22.55 ccw(c-123.115,-22.373) -123.115,-22.623 -120.817,-22.623 ccw(c-120.817,-22.373) -120.64,-22.55 J103_1.A3@-119.68,-21.59
USB_D_1_P: D113_1.3 J103_1.B3 | length 5.7
  Top Layer w0.25: D113_1.3@-124.59,-21.09 -123.835,-21.09 ccw(c-123.835,-20.89) -123.693,-21.031 -123.283,-20.621 cw(c-123.106,-20.798) -123.106,-20.548 -121.321,-20.548 cw(c-121.321,-20.798) -121.071,-20.799 -121.071,-21.339 cw(c-121.321,-21.34) -121.321,-21.59 J103_1.B3@-122.22,-21.59
USB_D_2_N: D113_2.1 J103_2.A3 | length 5.5
  Top Layer w0.25: D113_2.1@-104.27,-22.09 -103.515,-22.09 cw(c-103.515,-22.29) -103.373,-22.149 -102.972,-22.55 ccw(c-102.795,-22.373) -102.795,-22.623 -100.497,-22.623 ccw(c-100.497,-22.373) -100.32,-22.55 J103_2.A3@-99.36,-21.59
USB_D_2_P: D113_2.3 J103_2.B3 | length 5.7
  Top Layer w0.25: D113_2.3@-104.27,-21.09 -103.515,-21.09 ccw(c-103.515,-20.89) -103.373,-21.031 -102.963,-20.621 cw(c-102.786,-20.798) -102.786,-20.548 -101.001,-20.548 cw(c-101.001,-20.798) -100.751,-20.799 -100.751,-21.339 cw(c-101.001,-21.34) -101.001,-21.59 J103_2.B3@-101.9,-21.59
USB_D_3_N: D113_3.1 J103_3.A3 | length 5.5
  Top Layer w0.25: D113_3.1@-83.95,-22.09 -83.195,-22.09 cw(c-83.195,-22.29) -83.053,-22.149 -82.652,-22.55 ccw(c-82.475,-22.373) -82.475,-22.623 -80.177,-22.623 ccw(c-80.177,-22.373) -80,-22.55 J103_3.A3@-79.04,-21.59
USB_D_3_P: D113_3.3 J103_3.B3 | length 5.7
  Top Layer w0.25: D113_3.3@-83.95,-21.09 -83.195,-21.09 ccw(c-83.195,-20.89) -83.053,-21.031 -82.643,-20.621 cw(c-82.466,-20.798) -82.466,-20.548 -80.681,-20.548 cw(c-80.681,-20.798) -80.431,-20.799 -80.431,-21.339 cw(c-80.681,-21.34) -80.681,-21.59 J103_3.B3@-81.58,-21.59
USB_D_4_N: D113_4.1 J103_4.A3 | length 5.5
  Top Layer w0.25: D113_4.1@-63.63,-22.09 -62.875,-22.09 cw(c-62.875,-22.29) -62.733,-22.149 -62.332,-22.55 ccw(c-62.155,-22.373) -62.155,-22.623 -59.857,-22.623 ccw(c-59.857,-22.373) -59.68,-22.55 J103_4.A3@-58.72,-21.59
USB_D_4_P: D113_4.3 J103_4.B3 | length 5.7
  Top Layer w0.25: D113_4.3@-63.63,-21.09 -62.875,-21.09 ccw(c-62.875,-20.89) -62.733,-21.031 -62.323,-20.621 cw(c-62.146,-20.798) -62.146,-20.548 -60.361,-20.548 cw(c-60.361,-20.798) -60.111,-20.799 -60.111,-21.339 cw(c-60.361,-21.34) -60.361,-21.59 J103_4.B3@-61.26,-21.59
USB_D_5_N: D113_5.1 J103_5.A3 | length 5.5
  Top Layer w0.25: D113_5.1@-43.31,-22.09 -42.555,-22.09 cw(c-42.555,-22.29) -42.413,-22.149 -42.012,-22.55 ccw(c-41.835,-22.373) -41.835,-22.623 -39.537,-22.623 ccw(c-39.537,-22.373) -39.36,-22.55 J103_5.A3@-38.4,-21.59
USB_D_5_P: D113_5.3 J103_5.B3 | length 5.7
  Top Layer w0.25: D113_5.3@-43.31,-21.09 -42.555,-21.09 ccw(c-42.555,-20.89) -42.413,-21.031 -42.003,-20.621 cw(c-41.826,-20.798) -41.826,-20.548 -40.041,-20.548 cw(c-40.041,-20.798) -39.791,-20.799 -39.791,-21.339 cw(c-40.041,-21.34) -40.041,-21.59 J103_5.B3@-40.94,-21.59
USB_D_6_N: D113_6.1 J103_6.A3 | length 5.5
  Top Layer w0.25: D113_6.1@-22.99,-22.09 -22.235,-22.09 cw(c-22.235,-22.29) -22.093,-22.149 -21.692,-22.55 ccw(c-21.515,-22.373) -21.515,-22.623 -19.217,-22.623 ccw(c-19.217,-22.373) -19.04,-22.55 J103_6.A3@-18.08,-21.59